# KiCad board EKO_Miner_BM1366-13xx_16-01B.kicad_pcb (continued)
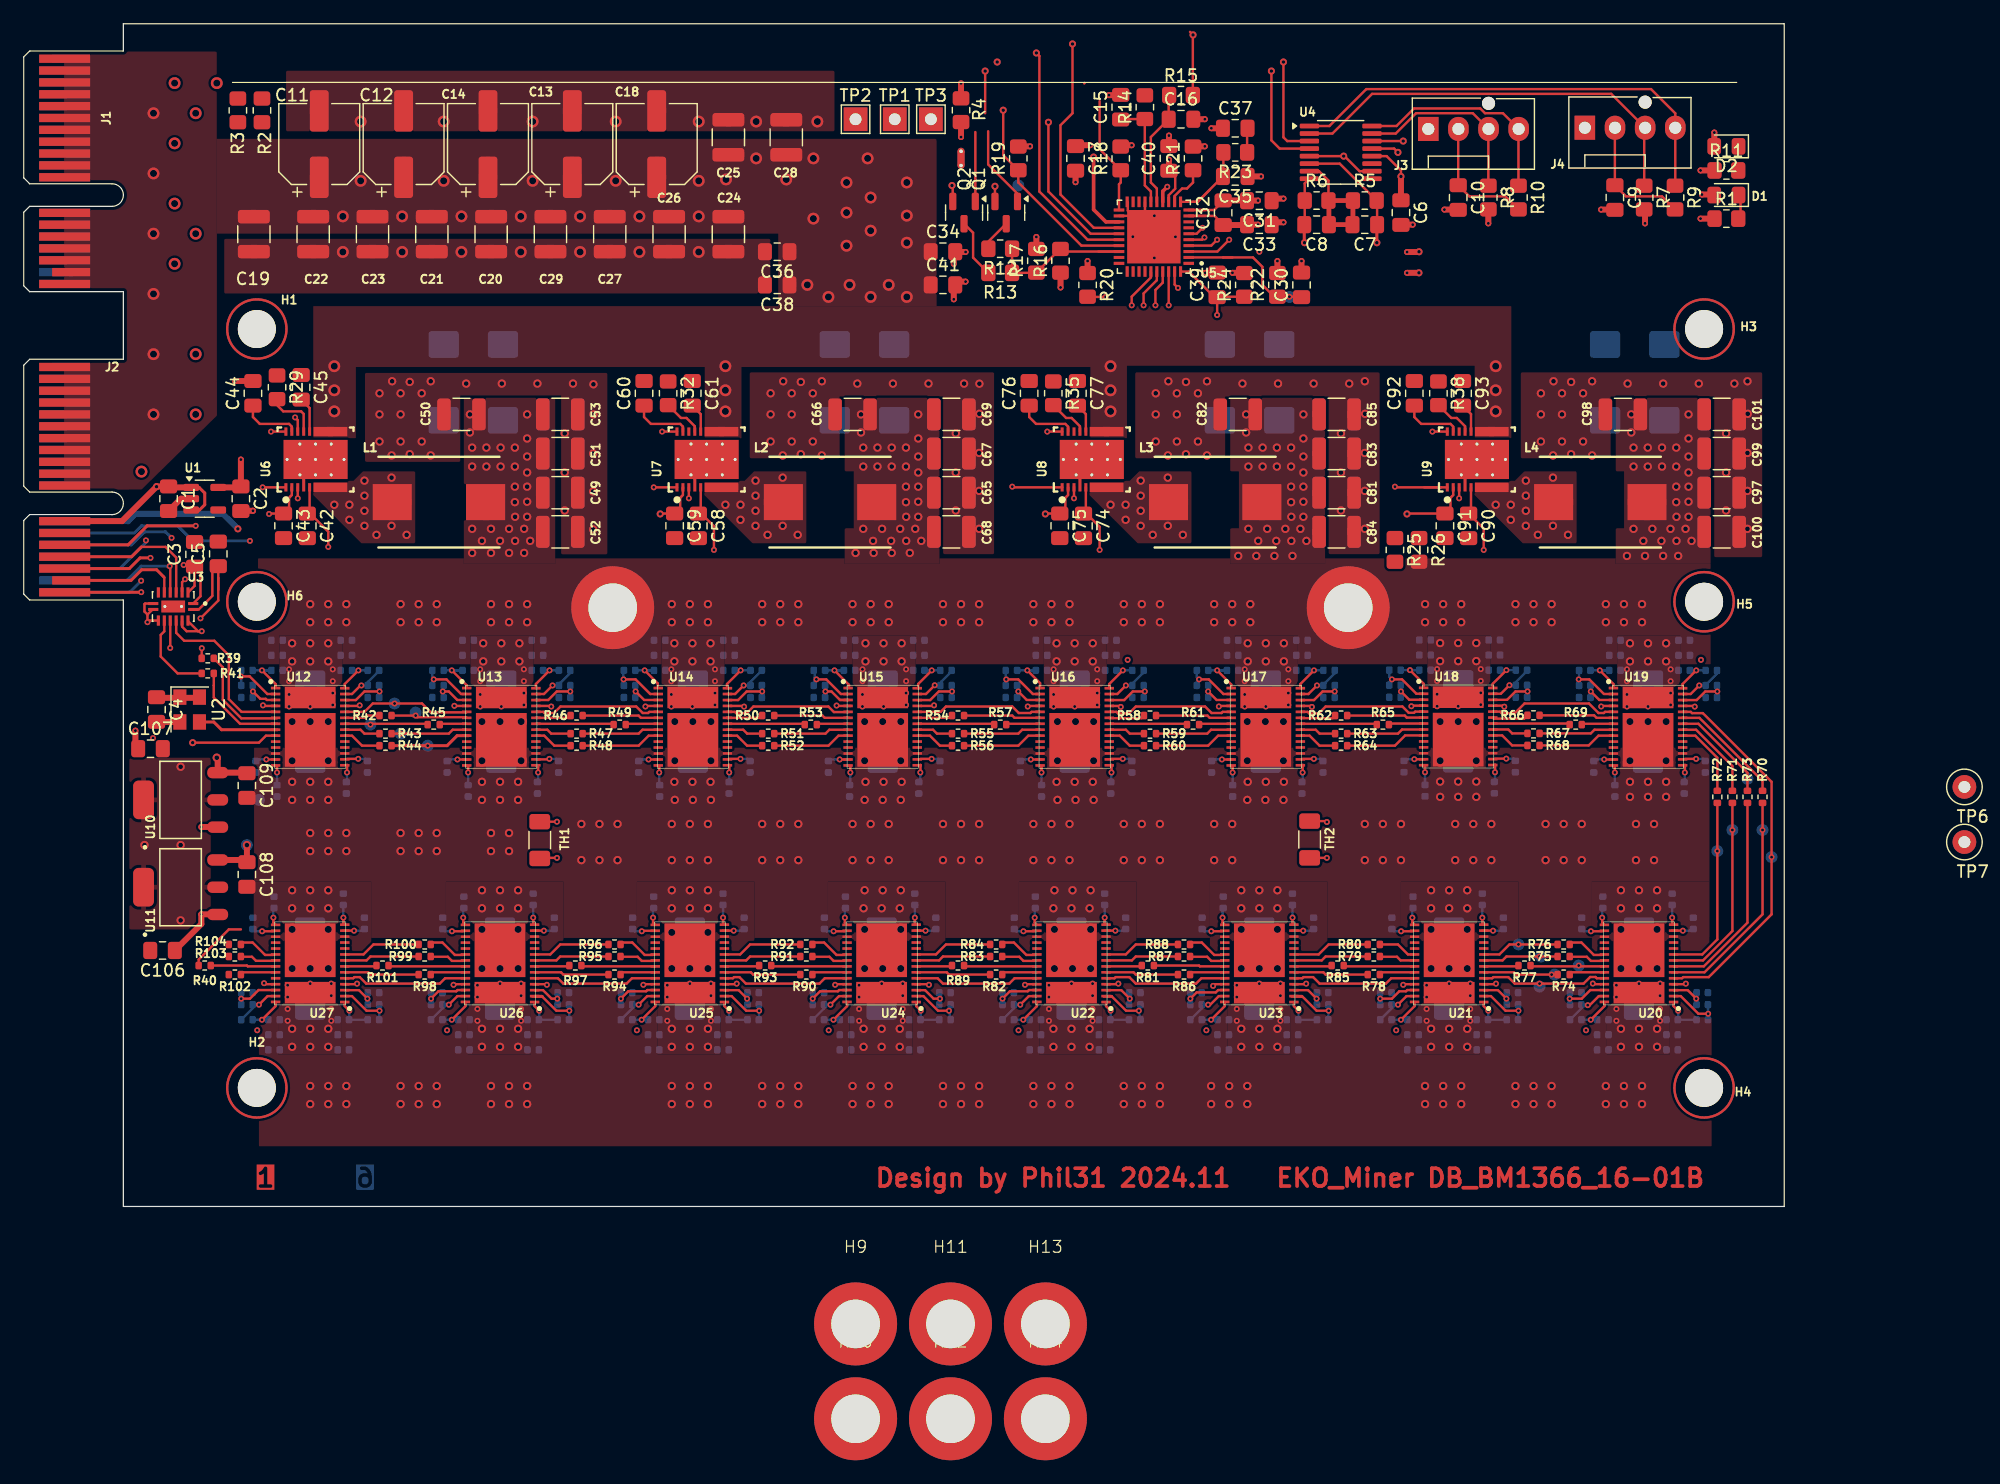
[diagram p0: board, top side]
## Placement (name value [footprint] x y rotation side) (continued)
C319  1uF  [C_0402_1005Metric]  75.11 15.75 180 bottom
C320  100nF  [C_0402_1005Metric]  75.11 13.21 0 bottom
C321  100nF  [C_0402_1005Metric]  75.11 14.48 0 bottom
C322  1uF  [C_0402_1005Metric]  69.27 14.48 180 bottom
C323  1uF  [C_0402_1005Metric]  69.27 13.21 180 bottom
C324  330uF  [CP_EIA-7343-31_Kemet-D_Pad2.25x2.55mm_HandSolder]  72.32 20.07 90 bottom
C325  1uF  [C_0402_1005Metric]  69.27 15.75 180 bottom
C326  1uF  [C_0402_1005Metric]  75.11 25.91 90 bottom
C327  1uF  [C_0402_1005Metric]  66.99 15.75 180 bottom
C328  1uF  [C_0402_1005Metric]  67.49 23.88 90 bottom
C329  1uF  [C_0402_1005Metric]  66.99 17.02 180 bottom
C330  1uF  [C_0402_1005Metric]  66.99 18.03 0 bottom
C331  1uF  [C_0402_1005Metric]  61.49 18.03 180 bottom
C332  1uF  [C_0402_1005Metric]  61.49 17.02 0 bottom
C333  1uF  [C_0402_1005Metric]  60.72 23.88 90 bottom
C334  1uF  [C_0402_1005Metric]  61.49 15.75 180 bottom
C335  1uF  [C_0402_1005Metric]  53.1 25.65 90 bottom
C336  1uF  [C_0402_1005Metric]  58.95 15.75 180 bottom
C337  100nF  [C_0402_1005Metric]  58.95 13.21 0 bottom
C338  100nF  [C_0402_1005Metric]  58.95 14.48 0 bottom
C339  1uF  [C_0402_1005Metric]  53.1 14.48 180 bottom
C340  1uF  [C_0402_1005Metric]  53.1 13.21 180 bottom
C341  330uF  [CP_EIA-7343-31_Kemet-D_Pad2.25x2.55mm_HandSolder]  56.15 20.07 90 bottom
C342  1uF  [C_0402_1005Metric]  53.1 15.75 180 bottom
C343  1uF  [C_0402_1005Metric]  58.95 25.91 90 bottom
C344  1uF  [C_0402_1005Metric]  50.82 15.75 180 bottom
C345  1uF  [C_0402_1005Metric]  51.33 23.88 90 bottom
C346  1uF  [C_0402_1005Metric]  50.82 17.02 180 bottom
C347  1uF  [C_0402_1005Metric]  50.82 18.03 0 bottom
C348  1uF  [C_0402_1005Metric]  45.48 18.03 180 bottom
C349  1uF  [C_0402_1005Metric]  45.48 17.02 0 bottom
C350  1uF  [C_0402_1005Metric]  44.72 23.88 90 bottom
C351  1uF  [C_0402_1005Metric]  45.48 15.75 180 bottom
C352  1uF  [C_0402_1005Metric]  37.1 25.65 90 bottom
C353  1uF  [C_0402_1005Metric]  42.94 15.75 180 bottom
C354  100nF  [C_0402_1005Metric]  42.94 13.21 0 bottom
C355  100nF  [C_0402_1005Metric]  42.94 14.48 0 bottom
C356  1uF  [C_0402_1005Metric]  37.1 14.48 180 bottom
C357  1uF  [C_0402_1005Metric]  37.1 13.21 180 bottom
C358  330uF  [CP_EIA-7343-31_Kemet-D_Pad2.25x2.55mm_HandSolder]  40.15 20.07 90 bottom
C359  1uF  [C_0402_1005Metric]  37.1 15.75 180 bottom
C360  1uF  [C_0402_1005Metric]  42.94 25.91 90 bottom
C361  1uF  [C_0402_1005Metric]  34.82 15.75 180 bottom
C362  1uF  [C_0402_1005Metric]  35.32 23.88 90 bottom
C363  1uF  [C_0402_1005Metric]  34.82 17.02 180 bottom
C364  1uF  [C_0402_1005Metric]  34.82 18.03 0 bottom
C365  1uF  [C_0402_1005Metric]  29.48 18.03 180 bottom
C366  1uF  [C_0402_1005Metric]  29.48 17.02 0 bottom
C367  1uF  [C_0402_1005Metric]  28.72 23.88 90 bottom
C368  1uF  [C_0402_1005Metric]  29.48 15.75 180 bottom
C369  1uF  [C_0402_1005Metric]  21.1 25.65 90 bottom
C370  1uF  [C_0402_1005Metric]  26.94 15.75 180 bottom
C371  100nF  [C_0402_1005Metric]  26.94 13.21 0 bottom
C372  100nF  [C_0402_1005Metric]  26.94 14.48 0 bottom
C373  1uF  [C_0402_1005Metric]  21.1 14.48 180 bottom
C374  1uF  [C_0402_1005Metric]  21.1 13.21 180 bottom
C375  330uF  [CP_EIA-7343-31_Kemet-D_Pad2.25x2.55mm_HandSolder]  24.15 20.07 90 bottom
C376  1uF  [C_0402_1005Metric]  21.1 15.75 180 bottom
C377  1uF  [C_0402_1005Metric]  26.94 25.91 90 bottom
C378  1uF  [C_0402_1005Metric]  18.81 15.75 180 bottom
C379  1uF  [C_0402_1005Metric]  19.32 23.88 90 bottom
C380  1uF  [C_0402_1005Metric]  18.81 17.02 180 bottom
C381  1uF  [C_0402_1005Metric]  18.81 18.03 0 bottom
D1  LED  [LED_0805_2012Metric_Pad1.15x1.40mm_HandSolder]  143.53 85.3 180 top
D2  LED  [LED_0805_2012Metric_Pad1.15x1.40mm_HandSolder]  143.53 89.41 180 top
H1  MountingHole  [MountingHole_3.2mm_M3_ISO7380]  19.65 74 0 top
H2  MountingHole  [MountingHole_3.2mm_M3_ISO7380]  19.65 10 0 top
H3  MountingHole  [MountingHole_3.2mm_M3_ISO7380]  141.65 74 0 top
H4  MountingHole  [MountingHole_3.2mm_M3_ISO7380]  141.65 10 0 top
H5  MountingHole  [MountingHole_3.2mm_M3_ISO7380]  141.65 51 0 top
H6  MountingHole  [MountingHole_3.2mm_M3_ISO7380]  19.65 51 0 top
H7  MountingHole_Pad  [SMTSO-M3-3ET]  49.65 50.5 180 bottom
H8  MountingHole_Pad  [SMTSO-M3-3ET]  111.65 50.5 180 bottom
H9  MountingHole_Pad  [SMTSO-M3-3ET]  70.12 -9.91 0 top
H10  MountingHole_Pad  [SMTSO-M3-3ET]  70.12 -17.91 0 top
H11  MountingHole_Pad  [SMTSO-M3-3ET]  78.12 -9.91 0 top
H12  MountingHole_Pad  [SMTSO-M3-3ET]  78.12 -17.91 0 top
H13  MountingHole_Pad  [SMTSO-M3-3ET]  86.12 -9.91 0 top
H14  MountingHole_Pad  [SMTSO-M3-3ET]  86.12 -17.91 0 top
J1  10018784-10210TLF  [BUS_PCIexpress_x1]  3.45 96.8 270 top
J2  10018784-10210TLF  [BUS_PCIexpress_x1]  3.45 70.8 270 top
J3  Conn_01x04  [FanPinHeader_1x04_P2.54mm_Vertical]  118.4 90.88 0 top
J4  Conn_01x04  [FanPinHeader_1x04_P2.54mm_Vertical]  131.6 90.97 0 top
L1  150nH  [INDM1031X765N]  35 59.4 0 top
L2  150nH  [INDM1031X765N]  67.97 59.4 0 top
L3  150nH  [INDM1031X765N]  100.44 59.4 0 top
L4  150nH  [INDM1031X765N]  132.9 59.4 0 top
NT1  NetTie_2  [NetTie-2_SMD_Pad0.5mm]  117.11 78.74 0 top
NT2  NetTie_2  [NetTie-2_SMD_Pad0.5mm]  117.11 80.49 0 top
Q1  BSS138  [SOT-23]  82.82 83.82 270 top
Q2  BSS138  [SOT-23]  79.27 83.82 270 top
R1  270R  [R_0805_2012Metric_Pad1.20x1.40mm_HandSolder]  143.53 83.31 0 top
R2  10K  [R_0805_2012Metric_Pad1.20x1.40mm_HandSolder]  20.08 92.44 270 top  (not fitted)
R3  10K  [R_0805_2012Metric_Pad1.20x1.40mm_HandSolder]  18.05 92.44 270 top  (not fitted)
R4  10K  [R_0805_2012Metric_Pad1.20x1.40mm_HandSolder]  79.01 92.46 90 top
R5  1.6K  [R_0805_2012Metric_Pad1.20x1.40mm_HandSolder]  113.05 84.84 0 top
R6  1.6K  [R_0805_2012Metric_Pad1.20x1.40mm_HandSolder]  108.98 84.84 0 top
R7  4.7K  [R_0805_2012Metric_Pad1.20x1.40mm_HandSolder]  136.6 85.09 270 top
R8  4.7K  [R_0805_2012Metric_Pad1.20x1.40mm_HandSolder]  123.46 85.09 270 top
R9  10k  [R_0805_2012Metric_Pad1.20x1.40mm_HandSolder]  139.2 85.09 270 top
R10  10k  [R_0805_2012Metric_Pad1.20x1.40mm_HandSolder]  126 85.09 270 top
R11  270R  [R_0805_2012Metric_Pad1.20x1.40mm_HandSolder]  143.53 87.38 0 top
R12  TBD  [R_0805_2012Metric_Pad1.20x1.40mm_HandSolder]  82.31 80.77 180 top
R13  TBD  [R_0805_2012Metric_Pad1.20x1.40mm_HandSolder]  82.31 78.74 180 top
R14  1R  [R_0805_2012Metric_Pad1.20x1.40mm_HandSolder]  94.51 92.71 90 top
R15  1R  [R_0805_2012Metric_Pad1.20x1.40mm_HandSolder]  97.55 93.73 0 top
R16  16K5  [R_0805_2012Metric_Pad1.20x1.40mm_HandSolder]  87.39 79.76 90 top
R17  24K3  [R_0805_2012Metric_Pad1.20x1.40mm_HandSolder]  85.36 79.76 90 top
R18  10k  [R_0805_2012Metric_Pad1.20x1.40mm_HandSolder]  92.47 88.39 90 top
R19  10k  [R_0805_2012Metric_Pad1.20x1.40mm_HandSolder]  83.84 88.39 90 top
R20  100K  [R_0805_2012Metric_Pad1.20x1.40mm_HandSolder]  89.68 77.72 270 top
R21  2K55  [R_0805_2012Metric_Pad1.20x1.40mm_HandSolder]  98.57 88.39 90 top
R22  35K  [R_0805_2012Metric_Pad1.20x1.40mm_HandSolder]  105.68 77.72 90 top
R23  10K  [R_0805_2012Metric_Pad1.20x1.40mm_HandSolder]  102.13 88.9 180 top
R24  121K  [R_0805_2012Metric_Pad1.20x1.40mm_HandSolder]  102.89 77.72 90 top
R25  51R 0.5%  [R_0805_2012Metric_Pad1.20x1.40mm_HandSolder]  115.59 55.37 270 top
R26  51R 0.5%  [R_0805_2012Metric_Pad1.20x1.40mm_HandSolder]  117.62 55.37 270 top
R29  2R2  [R_0805_2012Metric_Pad1.20x1.40mm_HandSolder]  21.35 69.09 270 top
R32  2R2  [R_0805_2012Metric_Pad1.20x1.40mm_HandSolder]  54.32 68.58 270 top
R35  2R2  [R_0805_2012Metric_Pad1.20x1.40mm_HandSolder]  86.79 68.58 270 top
R38  2R2  [R_0805_2012Metric_Pad1.20x1.40mm_HandSolder]  119.26 68.58 270 top
R39  10K  [R_0402_1005Metric]  15.51 46.23 0 top
R40  10K  [R_0402_1005Metric]  15.26 20.32 0 top
R41  33  [R_0402_1005Metric]  15.51 44.96 180 top
R42  33  [R_0402_1005Metric]  30.5 41.4 0 top
R43  33  [R_0402_1005Metric]  30.5 39.88 0 top
R44  33  [R_0402_1005Metric]  30.5 38.86 0 top
R45  33  [R_0402_1005Metric]  34.56 40.64 180 top
R46  33  [R_0402_1005Metric]  46.61 41.4 0 top
R47  33  [R_0402_1005Metric]  46.61 39.88 0 top
R48  33  [R_0402_1005Metric]  46.61 38.86 0 top
R49  33  [R_0402_1005Metric]  50.24 40.64 180 top
R50  33  [R_0402_1005Metric]  62.76 41.4 0 top
R51  33  [R_0402_1005Metric]  62.76 39.88 0 top
R52  33  [R_0402_1005Metric]  62.76 38.86 0 top
R53  33  [R_0402_1005Metric]  66.35 40.64 180 top
R54  33  [R_0402_1005Metric]  78.76 41.4 0 top
R55  33  [R_0402_1005Metric]  78.76 39.88 0 top
R56  33  [R_0402_1005Metric]  78.76 38.86 0 top
R57  33  [R_0402_1005Metric]  82.31 40.64 180 top
R58  33  [R_0402_1005Metric]  94.94 41.4 0 top
R59  33  [R_0402_1005Metric]  94.94 39.88 0 top
R60  33  [R_0402_1005Metric]  94.94 38.86 0 top
R61  33  [R_0402_1005Metric]  98.57 40.64 180 top
R62  33  [R_0402_1005Metric]  111.05 41.4 0 top
R63  33  [R_0402_1005Metric]  111.05 39.88 0 top
R64  33  [R_0402_1005Metric]  111.05 38.86 0 top
R65  33  [R_0402_1005Metric]  114.57 40.64 180 top
R66  33  [R_0402_1005Metric]  127.27 41.42 0 top
R67  33  [R_0402_1005Metric]  127.27 39.9 0 top
R68  33  [R_0402_1005Metric]  127.27 38.88 0 top
R69  33  [R_0402_1005Metric]  130.83 40.64 180 top
R70  33  [R_0402_1005Metric]  146.58 34.54 270 top
R71  33  [R_0402_1005Metric]  144.04 34.54 270 top
R72  33  [R_0402_1005Metric]  142.77 34.54 270 top
R73  33  [R_0402_1005Metric]  145.31 34.54 90 top
R74  33  [R_0402_1005Metric]  129.81 19.56 180 top
R75  33  [R_0402_1005Metric]  129.81 21.08 180 top
R76  33  [R_0402_1005Metric]  129.81 22.1 180 top
R77  33  [R_0402_1005Metric]  126.51 20.32 0 top
R78  33  [R_0402_1005Metric]  113.81 19.56 180 top
R79  33  [R_0402_1005Metric]  113.81 21.08 180 top
R80  33  [R_0402_1005Metric]  113.81 22.1 180 top
R81  33  [R_0402_1005Metric]  94.76 20.32 0 top
R82  33  [R_0402_1005Metric]  81.97 19.56 180 top
R83  33  [R_0402_1005Metric]  81.97 21.08 180 top
R84  33  [R_0402_1005Metric]  81.97 22.1 180 top
R85  33  [R_0402_1005Metric]  110.76 20.32 0 top
R86  33  [R_0402_1005Metric]  97.81 19.56 180 top
R87  33  [R_0402_1005Metric]  97.81 21.08 180 top
R88  33  [R_0402_1005Metric]  97.81 22.1 180 top
R89  33  [R_0402_1005Metric]  78.76 20.32 0 top
R90  33  [R_0402_1005Metric]  65.97 19.56 180 top
R91  33  [R_0402_1005Metric]  65.97 21.08 180 top
R92  33  [R_0402_1005Metric]  65.97 22.1 180 top
R93  33  [R_0402_1005Metric]  62.5 20.32 0 top
R94  33  [R_0402_1005Metric]  49.8 19.56 180 top
R95  33  [R_0402_1005Metric]  49.8 21.08 180 top
R96  33  [R_0402_1005Metric]  49.8 22.1 180 top
R97  33  [R_0402_1005Metric]  46.5 20.32 0 top
R98  33  [R_0402_1005Metric]  33.8 19.56 180 top
R99  33  [R_0402_1005Metric]  33.8 21.08 180 top
R100  33  [R_0402_1005Metric]  33.8 22.1 180 top
R101  33  [R_0402_1005Metric]  30.24 20.32 0 top
R102  33  [R_0402_1005Metric]  17.8 19.56 180 top
R103  33  [R_0402_1005Metric]  17.8 21.08 180 top
R104  33  [R_0402_1005Metric]  17.8 22.1 180 top
T1  net-tie  [NetTie-2_THT_Pad0.3mm]  79.01 87.79 90 top
TH1  TBD  [R_1206_3216Metric_Pad1.30x1.75mm_HandSolder]  43.5 30.9 90 top
TH2  TBD  [R_1206_3216Metric_Pad1.30x1.75mm_HandSolder]  108.4 30.95 90 top
TP1  TestPoint  [TestPoint_THTPad_2.0x2.0mm_Drill1.0mm]  73.42 91.69 0 top
TP2  TestPoint  [TestPoint_THTPad_2.0x2.0mm_Drill1.0mm]  70.12 91.69 0 top
TP3  TestPoint  [TestPoint_THTPad_2.0x2.0mm_Drill1.0mm]  76.47 91.69 0 top
TP4  TestPoint  [TestPoint_Pad_D1.0mm]  83.84 86.11 180 bottom
TP5  TestPoint  [TestPoint_Pad_D1.0mm]  106.7 76.71 180 bottom
TP6  TestPoint  [TestPoint_Loop_D2.50mm_Drill1.0mm]  163.59 35.38 0 top
TP7  TestPoint  [TestPoint_Loop_D2.50mm_Drill1.0mm]  163.59 30.73 0 top
TP8  TestPoint  [TestPoint_Pad_D1.0mm]  18.81 30.48 90 bottom
TP9  TestPoint  [TestPoint_Pad_D1.0mm]  19.83 34.29 90 bottom
TP10  TestPoint  [TestPoint_Pad_D1.0mm]  147.34 29.46 180 bottom
TP11  TestPoint  [TestPoint_Pad_D1.0mm]  144.04 31.75 180 bottom
TP12  TestPoint  [TestPoint_Pad_D1.0mm]  142.77 29.97 180 bottom
TP13  TestPoint  [TestPoint_Pad_D1.0mm]  145.31 36.07 180 bottom
TP14  TestPoint  [TestPoint_Pad_D1.0mm]  146.58 31.75 180 bottom
TP15  TestPoint  [TestPoint_Pad_D1.0mm]  31.26 42.42 0 bottom
TP16  TestPoint  [TestPoint_Pad_D1.0mm]  31.77 39.88 0 bottom
TP17  TestPoint  [TestPoint_Pad_D1.0mm]  29.23 40.64 0 bottom
TP18  TestPoint  [TestPoint_Pad_D1.0mm]  34.05 38.86 0 bottom
TP19  TestPoint  [TestPoint_Pad_D1.0mm]  33.04 41.66 0 bottom
TP20  TestPoint  [TestPoint_Pad_D1.0mm]  127.78 18.54 90 bottom
TP21  TestPoint  [TestPoint_Pad_D1.0mm]  127.88 21.08 90 bottom
TP22  TestPoint  [TestPoint_Pad_D1.0mm]  131.08 20.32 90 bottom
TP23  TestPoint  [TestPoint_Pad_D1.0mm]  126 22.1 90 bottom
TP24  TestPoint  [TestPoint_Pad_D1.0mm]  129.05 19.56 90 bottom
U1  MCP1824T-3302E/OT  [SOT-23-5]  15.26 59.69 0 top
U2  25MHz  [Oscillator_SMD_Abracon_ASE-4Pin_3.2x2.5mm]  13.99 41.91 270 top
U3  SN74AXC4T245BQB  [QFN50P350X250X80-17N]  12.6 50.6 270 top
U4  MAX6615AEE_  [QSOP-16_3.9x4.9mm_P0.635mm]  111.02 88.9 0 top
U5  TPS53647RHA  [QFN50P600X600X80-41N]  95.27 81.79 180 top
U6  -  [CSD95472Q5MC]  24.6 63 90 top
U7  -  [CSD95472Q5MC]  57.57 63 90 top
U8  -  [CSD95472Q5MC]  90.04 63 90 top
U9  -  [CSD95472Q5MC]  122.5 63 90 top
U10  MCP1826S-1202E_DB  [MCP1826S]  13.23 34.29 90 top
U11  MCP1826S-0802E_DB  [MCP1826S]  13.23 26.92 90 top
U12  BM1366_mode1  [BM1366]  24.15 40.46 0 top
U13  BM1366_mode1  [BM1366]  40.26 40.46 0 top
U14  BM1366_mode1  [BM1366]  56.41 40.46 0 top
U15  BM1366_mode1  [BM1366]  72.41 40.46 0 top
U16  BM1366_mode1  [BM1366]  88.59 40.46 0 top
U17  BM1366_mode1  [BM1366]  104.7 40.46 0 top
U18  BM1366_mode1  [BM1366]  120.92 40.48 0 top
U19  BM1366_mode1  [BM1366]  136.92 40.46 0 top
U20  BM1366_mode1  [BM1366]  136.16 20.5 180 top
U21  BM1366_mode1  [BM1366]  120.16 20.5 180 top
U22  BM1366_mode1  [BM1366]  88.32 20.5 180 top
U23  BM1366_mode1  [BM1366]  104.16 20.5 180 top
U24  BM1366_mode1  [BM1366]  72.32 20.5 180 top
U25  BM1366_mode1  [BM1366]  56.15 20.5 180 top
U26  BM1366_mode1  [BM1366]  40.15 20.5 180 top
U27  BM1366_mode1  [BM1366]  24.15 20.5 180 top

## Library data of the parts
C1-C10 C15-C17 C31-C33 C35 C37-C45 C49-C61 C65-C77 C81-C93 C97-C109 = -: ki_fp_filters: C_*
C11-C14 C18 = -: Datasheet: https://industrial.panasonic.com/cdbs/www-data/pdf/AAB8000/AAB8000C177.pdf; HEIGHT: 5.9mm; ki_fp_filters: CP_*
C19-C23 = -: DK: 490-6539-1-ND; PARTNO: GRM32ER61C476KE15L; ki_fp_filters: C_*
C24-C29 = -: DK: 490-3889-1-ND; PARTNO: GRM32ER61E226KE15L; ki_fp_filters: C_*
C30 = -: Description: 1mOhm; ki_fp_filters: C_*
C34 C36 = -: DK: 587-1291-1-ND; PARTNO: TMK212BJ105KG-T; ki_fp_filters: C_*
C46 C47 C62 C63 C78 C79 C94 C95 C120 C137 C154 C171 C188 C205 C222 C239 C256 C273 C290 C307 C324 C341 C358 C375 = -: DK: 718-1028-1-ND; PARTNO: 293D337X9010E2TE3; ki_fp_filters: CP_*
C110-C115 C118 C119 C121-C132 C135 C136 C138-C149 C152 C153 C155-C166 C169 C170 C172-C183 C186 C187 C189-C200 C203 C204 C206-C217 C220 C221 C223-C234 C237 C238 C240-C251 C254 C255 C257-C268 C271 C272 C274-C285 C288 C289 C291-C302 C305 C306 C308-C319 C322 C323 C325-C336 C339 C340 C342-C353 C356 C357 C359-C370 C373 C374 C376-C381 = -: DK: 587-5514-1-ND; PARTNO: EMK105BJ105MV-F; ki_fp_filters: C_*
C116 C117 C133 C134 C150 C151 C167 C168 C184 C185 C201 C202 C218 C219 C235 C236 C252 C253 C269 C270 C286 C287 C303 C304 C320 C321 C337 C338 C354 C355 C371 C372 = -: DK: 1292-1639-1-ND; PARTNO: 0402X104K100CT; ki_fp_filters: C_*
D1 D2 = -: Description: Light emitting diode; ki_fp_filters: LED* LED_SMD:* LED_THT:*
H1-H6 = -: Description: Mounting Hole without connection; ki_fp_filters: MountingHole*
H7-H14 = -: Description: Mounting Hole with connection; ki_fp_filters: MountingHole*Pad*
J1 J2 = -: Description: https://www.snapeda.com/parts/10018784-10210TLF/Amphenol%20ICC/datasheet/; MF: Amphenol ICC; Description_1: 36 Position Female Connector PCI Express™ Gold 0.039 (1.00mm) Black; Package: None; Price: None; Check_prices: https://www.snapeda.com/parts/10018784-10210TLF/Amphenol+FCI/view-part/?ref=eda; STANDARD: Manufacturer Recommendations; PARTREV: S; SnapEDA_Link: https://www.snapeda.com/parts/10018784-10210TLF/Amphenol+FCI/view-part/?ref=snap; Purchase-URL: https://www.snapeda.com/api/url_track_click_mouser/?unipart_id=520950&manufacturer=Amphenol ICC&part_name=10018784-10210TLF&search_term=10018784-10210tlf; Availability: In Stock; MANUFACTURER: Amphenol
J3 J4 = -: PARTNO: 0470531000; DK: WM4330-ND; ki_fp_filters: Connector*:*_1x??_*
L1-L4 = -: PARTNO: PA2982.151HLT; HEIGHT: 5.1mm; ki_fp_filters: Choke_* *Coil* Inductor_* L_*
NT1 NT2 = -: Description: Net tie, 2 pins; ki_fp_filters: Net*Tie*
Q1 Q2 = -: Datasheet: https://www.onsemi.com/pub/Collateral/BSS138-D.PDF; Description: 50V Vds, 0.22A Id, N-Channel MOSFET, SOT-23; ki_fp_filters: SOT?23*
R1-R22 R24-R26 R29 R32 R35 R38-R40 = -: ki_fp_filters: R_*
R23 = -: DK: RMCF0402FT10K0TR-ND; PARTNO: RMCF0402FT10K0; ki_fp_filters: R_*
R41-R104 = -: DK: 311-33.0LRCT-ND; PARTNO: RC0402FR-0733RL; ki_fp_filters: R_*
TH1 = -: Description: CTN; ki_fp_filters: TO?92* PIN?ARRAY* bornier* Terminal?Block* SOD70* R*1206* R*0805*
TH2 = -: Datasheet: https://www.heraeus.com/media/media/group/doc_group/products_1/hst/sot_to/de_15/to_92_d.pdf; Description: CTN; ki_fp_filters: TO?92* PIN?ARRAY* bornier* Terminal?Block* SOD70* R*1206* R*0805*
TP1-TP24 = -: ki_fp_filters: Pin* Test*
U1 = -: Datasheet: https://ww1.microchip.com/downloads/en/DeviceDoc/22070a.pdf; PARTNO: MCP1824T-0802E/OT; DK: MCP1824T-0802E/OTCT-ND
U2 = -: Datasheet: https://www.jauch.com/downloadfile/5ef1edcfb8e2f73163c8ce8009ef659d1/jo32-1.8-3.3v.pdf
U3 = -: Datasheet: https://www.ti.com/lit/ds/symlink/sn74avc4t245.pdf; Description: 4-Bit Dual-Supply Bus Transceiver With Configurable Voltage Translation and 3-State Outputs, WQFN16; ki_fp_filters: TSSOP*4.4x5mm*P0.65mm*
U4 = -: MF: Maxim Integrated Products; Description_1: Fan Control, Temp Monitor -40°C ~ 125°C Internal and External Sensor SMBus Output 16-QSOP; Package: None; Price: None; SnapEDA_Link: https://www.snapeda.com/parts/MAX6615AEE+/Analog+Devices/view-part/?ref=snap; MP: MAX6615AEE+; Availability: In Stock; Check_prices: https://www.snapeda.com/parts/MAX6615AEE+/Analog+Devices/view-part/?ref=eda
U5 = -: Datasheet: https://www.ti.com/lit/ds/symlink/tps53647.pdf?ts=1712180615535&ref_url=https%253A%252F%252Fwww.ti.com%252Fproduct%252FTPS53647
U6-U9 = -: Datasheet: CSD95491Q5MC; ki_fp_filters: DMC0012A
U10 = -: MF: Microchip; Description_1: IC,LINEAR REGULATOR;MAX. INPUT,6V;OUTPUT,1.2V;1000MA;ACCURACY,0.5%;SOT223-3 | Microchip Technology Inc. MCP1826S-1202E/DB; Package: SOT-223 Microchip Technology; Price: None; SnapEDA_Link: https://www.snapeda.com/parts/MCP1826S-1802E/DB/Microchip/view-part/?ref=snap; MP: MCP1826S-1802E/DB; Purchase-URL: https://www.snapeda.com/api/url_track_click_mouser/?unipart_id=142747&manufacturer=Microchip&part_name=MCP1826S-1802E/DB&search_term=mcp1826s; Availability: In Stock; Check_prices: https://www.snapeda.com/parts/MCP1826S-1802E/DB/Microchip/view-part/?ref=eda; P/N MOUSER: 579-MCP1826S-1802EDB
U11 = -: MF: Microchip; Description_1: IC,LINEAR REGULATOR;MAX. INPUT,6V;OUTPUT,1.8V;1000MA;ACCURACY,0.5%;SOT223-3 | Microchip Technology Inc. MCP1826S-1802E/DB; Package: SOT-223 Microchip Technology; Price: None; SnapEDA_Link: https://www.snapeda.com/parts/MCP1826S-1802E/DB/Microchip/view-part/?ref=snap; MP: MCP1826S-1802E/DB; Purchase-URL: https://www.snapeda.com/api/url_track_click_mouser/?unipart_id=142747&manufacturer=Microchip&part_name=MCP1826S-1802E/DB&search_term=mcp1826s; Availability: In Stock; Check_prices: https://www.snapeda.com/parts/MCP1826S-1802E/DB/Microchip/view-part/?ref=eda; P/N MOUSER: 579-MCP1826S-0802EDB

## Footprints (pads in the part's own frame, mm; a bottom-side part is the same pattern mirrored in y, then rotated)
BM1366
  rect 0.792x0.221 smd: 1(-2.916,3.263) 2(-2.916,2.761) 3(-2.916,2.259) 4(-2.916,1.757) 5(-2.916,1.255) 6(-2.916,0.753) 7(-2.916,0.251) 8(-2.916,-0.251) 9(-2.916,-0.753) 10(-2.916,-1.255) 11(-2.916,-1.757) 12(-2.916,-2.259) 13(-2.916,-2.761) 14(-2.916,-3.263) 15(2.916,-3.25) 16(2.916,-2.75) 17(2.916,-2.25) 18(2.916,-1.75) 19(2.916,-1.25) 20(2.916,-0.753) 21(2.916,-0.25) 22(2.916,0.251) 23(2.916,0.753) 24(2.916,1.255) 25(2.916,1.757) 26(2.916,2.25) 27(2.916,2.761) 28(2.916,3.25)
  rect 4.277x1.81 smd: 29(0,2.468)
  rect 4.277x4.53 smd: 30(0,-1.108)
BUS_PCIexpress_x1
  rect 0.7x3.2 smd far side: A1(0,0.55)
  rect 0.7x4.3 smd far side: A2(1,0) A3(2,0) A4(3,0) A5(4,0) A6(5,0) A7(6,0) A8(7,0) A9(8,0) A10(9,0) A11(10,0) A12(13,0) A13(14,0) A14(15,0) A15(16,0) A16(17,0) A17(18,0) A18(19,0)
  rect 0.7x4.3 smd: B1(0,0) B2(1,0) B3(2,0) B4(3,0) B5(4,0) B6(5,0) B7(6,0) B8(7,0) B9(8,0) B10(9,0) B11(10,0) B12(13,0) B13(14,0) B14(15,0) B15(16,0) B16(17,0) B18(19,0)
  rect 0.7x3.2 smd: B17(18,0.55)
C_0402_1005Metric
  rrect 0.56x0.62 smd: 1(-0.48,0) 2(0.48,0)
C_0805_2012Metric_Pad1.18x1.45mm_HandSolder
  rrect 1.175x1.45 smd: 1(-1.038,0) 2(1.038,0)
C_1210_3225Metric
  rrect 1.15x2.7 smd: 1(-1.475,0) 2(1.475,0)
CP_EIA-7343-31_Kemet-D_Pad2.25x2.55mm_HandSolder
  rrect 2.25x2.55 smd: 1(-3.2,0) 2(3.2,0)
CP_Elec_6.3x5.9
  rrect 3.5x1.6 smd: 1(-2.8,0) 2(2.8,0)
CSD95472Q5MC
  rect 0.7x0.25 smd: 1(-2.35,2.501) 2(-2.35,2.001) 3(-2.35,1.5) 5(-2.35,0.5) 8(2.35,0.5) 9(2.35,1) 10(2.35,1.5) 11(2.35,2.001) 12(2.35,2.501)
  rect 1.1x0.25 smd: 4(-2.15,1)
  round 0.5 hole 0.25: 4(-1.3,1.32) 4(-1.3,0) 4(-1.3,-1.32) 4(0,2.4) 4(0,1.32) 4(0,0) 4(0,-2.4) 4(0,-1.32) 4(1.3,1.32) 4(1.3,0) 4(1.3,-1.32)
  rect 3.3x5.4 smd: 4(0,0)
  rect 0.8x2.85 smd: 6(-2.35,-1.25) 7(2.35,-1.25)
FanPinHeader_1x04_P2.54mm_Vertical
  round 1.1 hole 1.1 unplated: (5.08,2.16)
  rect 1.73x2.03 hole 1.02: 1(0,0)
  oval 1.73x2.03 hole 1.02: 2(2.54,0) 3(5.08,0) 4(7.62,0)
INDM1031X765N
  rect 3.3x3.05 smd: 1(-3.935,0) 2(3.935,0)
LED_0805_2012Metric_Pad1.15x1.40mm_HandSolder
  rrect 1.15x1.4 smd: 1(-1.025,0) 2(1.025,0)
MCP1826S
  rrect 0.96x1.76 smd: 1(-2.3,-3.125) 2(0,-3.125) 3(2.3,-3.125)
  rrect 3.26x1.76 smd: 4(0,3.125)
MountingHole_3.2mm_M3_ISO7380
  round 3.2 hole 3.2 unplated: (0,0)
NetTie-2_SMD_Pad0.5mm
  round 0.5 smd: 1(-0.5,0) 2(0.5,0)
NetTie-2_THT_Pad0.3mm
  round 0.6 hole 0.3: 1(0,0) 2(1.2,0)
Oscillator_SMD_Abracon_ASE-4Pin_3.2x2.5mm
  rect 1.3x1.1 smd: 1(-1.05,-0.825) 2(1.05,-0.825) 3(1.05,0.825) 4(-1.05,0.825)
QFN50P350X250X80-17N
  rrect 0.26x0.86 smd: 1(-0.25,1.685) 8(-0.25,-1.685) 9(0.25,-1.685) 16(0.25,1.685)
  rrect 0.86x0.26 smd: 2(-1.185,1.25) 3(-1.185,0.75) 4(-1.185,0.25) 5(-1.185,-0.25) 6(-1.185,-0.75) 7(-1.185,-1.25) 10(1.185,-1.25) 11(1.185,-0.75) 12(1.185,-0.25) 13(1.185,0.25) 14(1.185,0.75) 15(1.185,1.25)
  round 0.4 hole 0.25: 17(0,0.7) 17(0,-0.7)
  rect 1x2 smd: 17(0,0)
QFN50P600X600X80-41N
  rrect 0.89x0.26 smd: 1(-2.94,2.25) 2(-2.94,1.75) 3(-2.94,1.25) 4(-2.94,0.75) 5(-2.94,0.25) 6(-2.94,-0.25) 7(-2.94,-0.75) 8(-2.94,-1.25) 9(-2.94,-1.75) 10(-2.94,-2.25) 21(2.94,-2.25) 22(2.94,-1.75) 23(2.94,-1.25) 24(2.94,-0.75) 25(2.94,-0.25) 26(2.94,0.25) 27(2.94,0.75) 28(2.94,1.25) 29(2.94,1.75) 30(2.94,2.25)
  rrect 0.26x0.89 smd: 11(-2.25,-2.94) 12(-1.75,-2.94) 13(-1.25,-2.94) 14(-0.75,-2.94) 15(-0.25,-2.94) 16(0.25,-2.94) 17(0.75,-2.94) 18(1.25,-2.94) 19(1.75,-2.94) 20(2.25,-2.94) 31(2.25,2.94) 32(1.75,2.94) 33(1.25,2.94) 34(0.75,2.94) 35(0.25,2.94) 36(-0.25,2.94) 37(-0.75,2.94) 38(-1.25,2.94) 39(-1.75,2.94) 40(-2.25,2.94)
  rect 4.5x4.5 smd: 41(0,0)
QSOP-16_3.9x4.9mm_P0.635mm
  rrect 1.625x0.4 smd: 1(-2.638,2.223) 2(-2.638,1.587) 3(-2.638,0.953) 4(-2.638,0.318) 5(-2.638,-0.318) 6(-2.638,-0.953) 7(-2.638,-1.587) 8(-2.638,-2.223) 9(2.638,-2.223) 10(2.638,-1.587) 11(2.638,-0.953) 12(2.638,-0.318) 13(2.638,0.318) 14(2.638,0.953) 15(2.638,1.587) 16(2.638,2.223)
R_0402_1005Metric
  rrect 0.54x0.64 smd: 1(-0.51,0) 2(0.51,0)
R_0805_2012Metric_Pad1.20x1.40mm_HandSolder
  rrect 1.2x1.4 smd: 1(-1,0) 2(1,0)
R_1206_3216Metric_Pad1.30x1.75mm_HandSolder
  rrect 1.3x1.75 smd: 1(-1.55,0) 2(1.55,0)
SMTSO-M3-3ET
  round 7 hole 4.1: 1(0,0)
SOT-23
  rrect 1.475x0.6 smd: 1(-0.938,0.95) 2(-0.938,-0.95) 3(0.938,0)
SOT-23-5
  rrect 1.325x0.6 smd: 1(-1.137,0.95) 2(-1.137,0) 3(-1.137,-0.95) 4(1.137,-0.95) 5(1.137,0.95)
TestPoint_Loop_D2.50mm_Drill1.0mm
  round 2 hole 1: 1(0,0)
TestPoint_Pad_D1.0mm
  round 1 smd: 1(0,0)
TestPoint_THTPad_2.0x2.0mm_Drill1.0mm
  rect 2x2 hole 1: 1(0,0)

## Nets
+0.8V: C108.1 C112.1 C124.1 C129.1 C141.1 C146.1 C158.1 C163.1 C175.1 C180.1 C192.1 C197.1 C209.1 C214.1 C226.1 C231.1 C243.1 C248.1 C260.1 C265.1 C277.1 C282.1 C294.1 C299.1 C311.1 C316.1 C328.1 C333.1 C345.1 C350.1 C362.1 C367.1 C379.1 TP8.1 U11.3 U12.13 U12.16 U13.13 U13.16 U14.13 U14.16 U15.13 U15.16 U16.13 U16.16 U17.13 U17.16 U18.13 U18.16 U19.13 U19.16 U20.13 U20.16 U21.13 U21.16 U22.13 U22.16 U23.13 U23.16 U24.13 U24.16 U25.13 U25.16 U26.13 U26.16 U27.13 U27.16
+1.2V: C4.1 C5.1 C109.1 C114.1 C122.1 C131.1 C139.1 C148.1 C156.1 C165.1 C173.1 C182.1 C190.1 C199.1 C207.1 C216.1 C224.1 C233.1 C241.1 C250.1 C258.1 C267.1 C275.1 C284.1 C292.1 C301.1 C309.1 C318.1 C326.1 C335.1 C343.1 C352.1 C360.1 C369.1 C377.1 R40.1 TP9.1 U2.1 U2.4 U3.16 U10.3 U12.14 U12.15 U13.14 U13.15 U14.14 U14.15 U15.14 U15.15 U16.14 U16.15 U17.14 U17.15 U18.14 U18.15 U19.14 U19.15 U20.14 U20.15 U21.14 U21.15 U22.14 U22.15 U23.14 U23.15 U24.14 U24.15 U25.14 U25.15 U26.14 U26.15 U27.14 U27.15
+3.3V_DB: C2.1 C3.1 C6.1 D1.2 R2.2 R3.2 R4.2 R7.2 R8.2 U1.5 U3.1 U3.2 U4.12
+3.3VP: C17.1 R18.2 R19.2 U5.14 U5.23
+5V_PSU: C42.1 C58.1 C74.1 C90.1 J2.A12 U6.5 U7.5 U8.5 U9.5
+5V_STDBY: C1.1 C106.1 C107.1 J2.B12 R15.2 U1.1 U1.3 U10.1 U11.1
+12V_PWR: C9.1 C10.1 C11.1 C12.1 C13.1 C14.1 C18.1 C19.1 C20.1 C21.1 C22.1 C23.1 C24.1 C25.1 C26.1 C27.1 C28.1 C29.1 C34.1 C36.1 C38.1 C41.1 J1.B1 J1.B2 J1.B3 J1.B4 J1.B5 J1.B6 J1.B7 J1.B8 J1.B9 J1.B10 J1.B11 J1.B12 J1.B13 J1.B14 J1.B15 J1.B16 J1.B17 J1.B18 J2.B1 J2.B2 J2.B3 J2.B4 J2.B5 J2.B6 J2.B7 J2.B8 J2.B9 J2.B10 J2.B11 J3.2 J4.2 R9.2 R10.2 R14.2 U6.7 U7.7 U8.7 U9.7
/ASICs/ASICs_BM1366_1/BM1366-0/VDD1_0: C113.2 C115.1 U12.1
/ASICs/ASICs_BM1366_1/BM1366-0/VDD1_1: C121.2 C123.1 U12.28
/ASICs/ASICs_BM1366_1/BM1366-0/VDD2_0: C111.2 C113.1 U12.2
/ASICs/ASICs_BM1366_1/BM1366-0/VDD2_1: C123.2 C125.1 U12.27
/ASICs/ASICs_BM1366_1/BM1366-0/VDD3_0: C110.2 C111.1 U12.3
/ASICs/ASICs_BM1366_1/BM1366-0/VDD3_1: C125.2 C126.1 U12.26
/ASICs/ASICs_BM1366_1/BM1366-1/VDD1_0: C130.2 C132.1 U13.1
/ASICs/ASICs_BM1366_1/BM1366-1/VDD1_1: C138.2 C140.1 U13.28
/ASICs/ASICs_BM1366_1/BM1366-1/VDD2_0: C128.2 C130.1 U13.2
/ASICs/ASICs_BM1366_1/BM1366-1/VDD2_1: C140.2 C142.1 U13.27
/ASICs/ASICs_BM1366_1/BM1366-1/VDD3_0: C127.2 C128.1 U13.3
/ASICs/ASICs_BM1366_1/BM1366-1/VDD3_1: C142.2 C143.1 U13.26
/ASICs/ASICs_BM1366_1/BM1366-2/VDD1_0: C147.2 C149.1 U14.1
/ASICs/ASICs_BM1366_1/BM1366-2/VDD1_1: C155.2 C157.1 U14.28
/ASICs/ASICs_BM1366_1/BM1366-2/VDD2_0: C145.2 C147.1 U14.2
/ASICs/ASICs_BM1366_1/BM1366-2/VDD2_1: C157.2 C159.1 U14.27
/ASICs/ASICs_BM1366_1/BM1366-2/VDD3_0: C144.2 C145.1 U14.3
/ASICs/ASICs_BM1366_1/BM1366-2/VDD3_1: C159.2 C160.1 U14.26
/ASICs/ASICs_BM1366_1/BM1366-3/VDD1_0: C164.2 C166.1 U15.1
/ASICs/ASICs_BM1366_1/BM1366-3/VDD1_1: C172.2 C174.1 U15.28
/ASICs/ASICs_BM1366_1/BM1366-3/VDD2_0: C162.2 C164.1 U15.2
/ASICs/ASICs_BM1366_1/BM1366-3/VDD2_1: C174.2 C176.1 U15.27
/ASICs/ASICs_BM1366_1/BM1366-3/VDD3_0: C161.2 C162.1 U15.3
/ASICs/ASICs_BM1366_1/BM1366-3/VDD3_1: C176.2 C177.1 U15.26
/ASICs/ASICs_BM1366_1/BM1366-4/VDD1_0: C181.2 C183.1 U16.1
/ASICs/ASICs_BM1366_1/BM1366-4/VDD1_1: C189.2 C191.1 U16.28
/ASICs/ASICs_BM1366_1/BM1366-4/VDD2_0: C179.2 C181.1 U16.2
/ASICs/ASICs_BM1366_1/BM1366-4/VDD2_1: C191.2 C193.1 U16.27
/ASICs/ASICs_BM1366_1/BM1366-4/VDD3_0: C178.2 C179.1 U16.3
/ASICs/ASICs_BM1366_1/BM1366-4/VDD3_1: C193.2 C194.1 U16.26
/ASICs/ASICs_BM1366_1/BM1366-5/VDD1_0: C198.2 C200.1 U17.1
/ASICs/ASICs_BM1366_1/BM1366-5/VDD1_1: C206.2 C208.1 U17.28
/ASICs/ASICs_BM1366_1/BM1366-5/VDD2_0: C196.2 C198.1 U17.2
/ASICs/ASICs_BM1366_1/BM1366-5/VDD2_1: C208.2 C210.1 U17.27
/ASICs/ASICs_BM1366_1/BM1366-5/VDD3_0: C195.2 C196.1 U17.3
/ASICs/ASICs_BM1366_1/BM1366-5/VDD3_1: C210.2 C211.1 U17.26
/ASICs/ASICs_BM1366_1/BM1366-6/VDD1_0: C215.2 C217.1 U18.1
/ASICs/ASICs_BM1366_1/BM1366-6/VDD1_1: C223.2 C225.1 U18.28
/ASICs/ASICs_BM1366_1/BM1366-6/VDD2_0: C213.2 C215.1 U18.2
/ASICs/ASICs_BM1366_1/BM1366-6/VDD2_1: C225.2 C227.1 U18.27
/ASICs/ASICs_BM1366_1/BM1366-6/VDD3_0: C212.2 C213.1 U18.3
/ASICs/ASICs_BM1366_1/BM1366-6/VDD3_1: C227.2 C228.1 U18.26
/ASICs/ASICs_BM1366_1/BM1366-7/VDD1_0: C232.2 C234.1 U19.1
/ASICs/ASICs_BM1366_1/BM1366-7/VDD1_1: C240.2 C242.1 U19.28
/ASICs/ASICs_BM1366_1/BM1366-7/VDD2_0: C230.2 C232.1 U19.2
/ASICs/ASICs_BM1366_1/BM1366-7/VDD2_1: C242.2 C244.1 U19.27
/ASICs/ASICs_BM1366_1/BM1366-7/VDD3_0: C229.2 C230.1 U19.3
/ASICs/ASICs_BM1366_1/BM1366-7/VDD3_1: C244.2 C245.1 U19.26
/ASICs/ASICs_BM1366_2/BM1366-0/VDD1_0: C249.2 C251.1 U20.1
/ASICs/ASICs_BM1366_2/BM1366-0/VDD1_1: C257.2 C259.1 U20.28
/ASICs/ASICs_BM1366_2/BM1366-0/VDD2_0: C247.2 C249.1 U20.2
/ASICs/ASICs_BM1366_2/BM1366-0/VDD2_1: C259.2 C261.1 U20.27
/ASICs/ASICs_BM1366_2/BM1366-0/VDD3_0: C246.2 C247.1 U20.3
/ASICs/ASICs_BM1366_2/BM1366-0/VDD3_1: C261.2 C262.1 U20.26
/ASICs/ASICs_BM1366_2/BM1366-1/VDD1_0: C266.2 C268.1 U21.1
/ASICs/ASICs_BM1366_2/BM1366-1/VDD1_1: C274.2 C276.1 U21.28
/ASICs/ASICs_BM1366_2/BM1366-1/VDD2_0: C264.2 C266.1 U21.2
/ASICs/ASICs_BM1366_2/BM1366-1/VDD2_1: C276.2 C278.1 U21.27
/ASICs/ASICs_BM1366_2/BM1366-1/VDD3_0: C263.2 C264.1 U21.3
/ASICs/ASICs_BM1366_2/BM1366-1/VDD3_1: C278.2 C279.1 U21.26
/ASICs/ASICs_BM1366_2/BM1366-2/VDD1_0: C300.2 C302.1 U23.1
/ASICs/ASICs_BM1366_2/BM1366-2/VDD1_1: C308.2 C310.1 U23.28
/ASICs/ASICs_BM1366_2/BM1366-2/VDD2_0: C298.2 C300.1 U23.2
/ASICs/ASICs_BM1366_2/BM1366-2/VDD2_1: C310.2 C312.1 U23.27
/ASICs/ASICs_BM1366_2/BM1366-2/VDD3_0: C297.2 C298.1 U23.3
/ASICs/ASICs_BM1366_2/BM1366-2/VDD3_1: C312.2 C313.1 U23.26
/ASICs/ASICs_BM1366_2/BM1366-3/VDD1_0: C283.2 C285.1 U22.1
/ASICs/ASICs_BM1366_2/BM1366-3/VDD1_1: C291.2 C293.1 U22.28
/ASICs/ASICs_BM1366_2/BM1366-3/VDD2_0: C281.2 C283.1 U22.2
/ASICs/ASICs_BM1366_2/BM1366-3/VDD2_1: C293.2 C295.1 U22.27
/ASICs/ASICs_BM1366_2/BM1366-3/VDD3_0: C280.2 C281.1 U22.3
/ASICs/ASICs_BM1366_2/BM1366-3/VDD3_1: C295.2 C296.1 U22.26
/ASICs/ASICs_BM1366_2/BM1366-4/VDD1_0: C317.2 C319.1 U24.1
/ASICs/ASICs_BM1366_2/BM1366-4/VDD1_1: C325.2 C327.1 U24.28
/ASICs/ASICs_BM1366_2/BM1366-4/VDD2_0: C315.2 C317.1 U24.2
/ASICs/ASICs_BM1366_2/BM1366-4/VDD2_1: C327.2 C329.1 U24.27
/ASICs/ASICs_BM1366_2/BM1366-4/VDD3_0: C314.2 C315.1 U24.3
/ASICs/ASICs_BM1366_2/BM1366-4/VDD3_1: C329.2 C330.1 U24.26
/ASICs/ASICs_BM1366_2/BM1366-5/VDD1_0: C334.2 C336.1 U25.1
/ASICs/ASICs_BM1366_2/BM1366-5/VDD1_1: C342.2 C344.1 U25.28
/ASICs/ASICs_BM1366_2/BM1366-5/VDD2_0: C332.2 C334.1 U25.2
/ASICs/ASICs_BM1366_2/BM1366-5/VDD2_1: C344.2 C346.1 U25.27
/ASICs/ASICs_BM1366_2/BM1366-5/VDD3_0: C331.2 C332.1 U25.3
